# Altium PCB PCB_Amplifier.PcbDoc (part 4 of 4)
Units mm, origin at the board's own origin, x right, y up, seen from the top; angles counter-clockwise.
Board outline 86.5 x 99 mm, 4 copper layers (Top Layer, GND, VDD, Bottom Layer); 211 components, 150 nets, 661 pads, 341 vias.
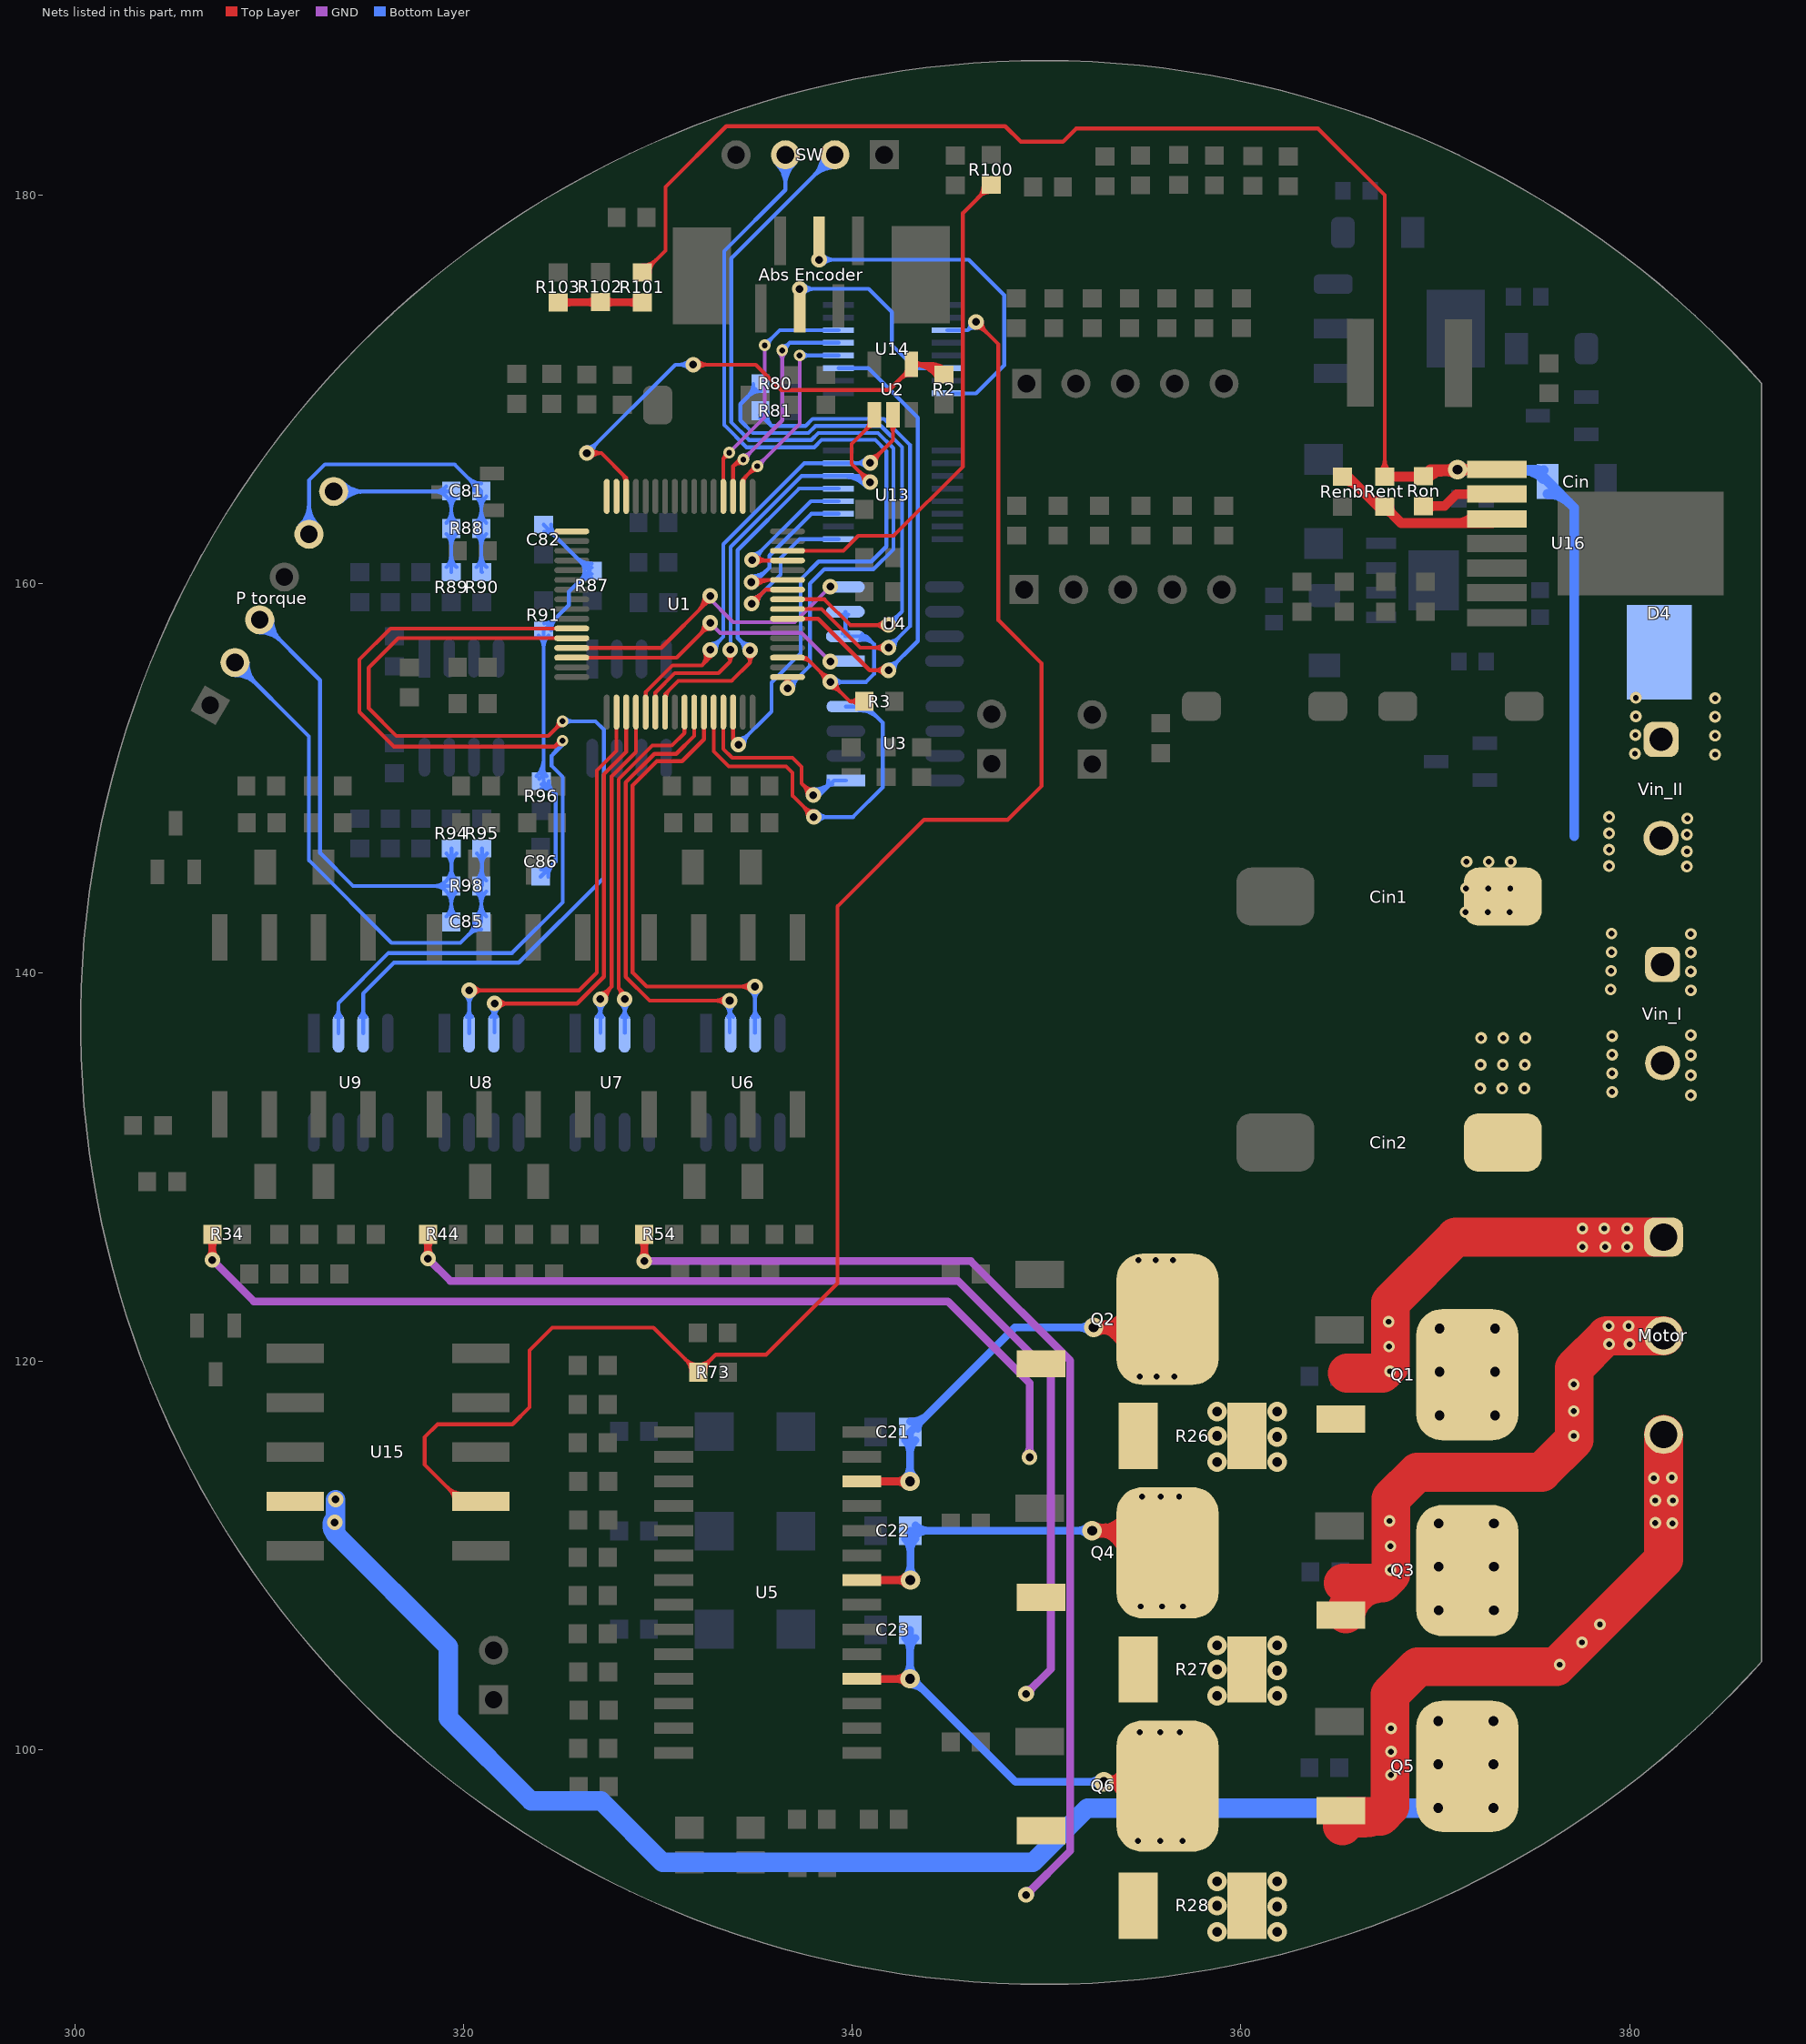
[diagram p6: the nets of this part, all layers, seen from the top]

## Via types
v1: diameter 0.6, hole 0.3, Top Layer to Bottom Layer, 223 vias
v2: diameter 1, hole 0.5, Top Layer to Bottom Layer, 58 vias
v3: diameter 0.8, hole 0.4, Top Layer to Bottom Layer, 52 vias
v4: diameter 3, hole 2.5, Top Layer to Bottom Layer, 7 vias
v5: diameter 0.8, hole 0.4, Top Layer to Bottom Layer, tented bottom, 1 vias

## Nets (pads, with @x,y where several pads share a name; then routed paths per layer and width w, separated by ;. In a path a pad name is that pad's centre, name@x,y a point inside that pad or via, vN(x,y) a via of type N, cw(c..) or ccw(c..) an arc to the next point about the centre after c; other vN are vias at no path point) (continued)
NetR100_2: R100.2 U1.62 | length 27.3
  Top Layer w0.2: U1.62@336.675,161.7 339.55,161.7 340.315,162.465 342.133,162.465 345.7,166.032 345.7,179.08 R100.2@347.15,180.53 ; 346.484,179.864 ccw(c345.818,180.53) R100.2@346.76,180.53 ; 346.545,179.925 cw(c347.125,179.344) R100.2@347.125,180.165
NetR101_1: R101.1 R102.2 R103.2 | length 8.3
  Top Layer w0.4: R103.2@324.875,174.48 R101.1@329.2,174.48 ; R103.2@325.087,174.293 cw(c325.54,173.84) 325.54,174.48 cw(c325.54,175.12) R103.2@325.087,174.667 ; 326.325,174.48 ccw(c326.325,175.205) R102.2@326.838,174.692 ; 326.446,174.48 cw(c326.446,173.926) R102.2@326.838,174.318 ; R102.2@327.262,174.318 cw(c327.654,173.926) 327.654,174.48 ; R102.2@327.262,174.692 ccw(c327.775,175.205) 327.775,174.48 ; R101.1@328.988,174.293 ccw(c328.535,173.84) 328.535,174.48 ccw(c328.535,175.12) R101.1@328.988,174.667
NetRenb_2: Renb.2 Rent.2 U16.3 | length 12.4
  Top Layer w0.5: Renb.2@365.225,165.515 365.51,165.515 Rent.2@367.05,163.975 ; Renb.2@365.25,165.3 cw(c365.25,164.153) 366.061,164.964 ; 366.453,164.572 ccw(c367.375,165.494) Rent.2@367.375,164.19 ; Rent.2@367.4,163.975 368.25,163.125 372.955,163.125 U16.3@373.175,163.345 ; Rent.2@367.425,163.76 cw(c367.425,163.301) Rent.2@367.749,163.626 ; Rent.2@367.64,163.975 ccw(c368.219,163.975) Rent.2@367.81,163.565 ; 371.088,163.125 ccw(c371.088,164.347) U16.3@371.952,163.483
NetRon_2: Ron.2 U16.2 | length 5.6
  Top Layer w0.5: Ron.2@369.4,164 370.475,164 371.09,164.615 U16.2@373.175,164.615 ; Ron.2@369.577,163.848 cw(c369.944,163.481) 369.944,164 cw(c369.944,164.519) Ron.2@369.577,164.152 ; U16.2@371.952,164.477 ccw(c371.619,164.144) 371.619,164.615 ccw(c371.619,165.086) U16.2@371.952,164.753
NetU1_2: U1.2 U14.4 | length 13.1
  Top Layer w0.2: U1.2@334.375,164.5 334.375,165.375 v1@335.088,166.088 ; U1.2@334.425,165.25 cw(c334.847,165.25) 334.549,165.549 ; 334.656,165.656 cw(c335.125,165.186) v1@335.125,165.85 ; 334.837,165.837 ccw(c334.623,166.05) v1@334.925,166.05
  GND w0.2: v1(335.125,166.05) 337.3,168.225 v1(337.3,171.75) ; v1@335.125,166.25 ccw(c335.125,166.733) 335.466,166.391 ccw(c335.808,166.05) v1@335.325,166.05
  Bottom Layer w0.2: v1(337.3,171.75) U14.4@339.3,171.75 ; v1@337.441,171.609 cw(c337.783,171.267) 337.783,171.75 cw(c337.783,172.233) v1@337.441,171.891
NetU1_3: U1.3 U14.5 | length 14.3
  Top Layer w0.2: U1.3@333.875,164.5 333.875,166.05 ; v1@334.2,166.375 333.875,166.05 ; v1@334.364,166.203 ccw(c334.266,165.659) 333.875,166.05
  GND w0.2: v1(334.4,166.4) 336.4,168.4 v1(336.4,172.013) ; v1@334.4,166.6 ccw(c334.4,167.083) 334.741,166.741 ccw(c335.083,166.4) v1@334.6,166.4 ; v1@336.259,171.871 cw(c335.917,171.53) 336.4,171.53 cw(c336.883,171.53) v1@336.541,171.871
  Bottom Layer w0.2: v1(336.4,172.013) 336.788,172.4 U14.5@339.3,172.4 ; v1@336.4,172.213 ccw(c336.4,172.695) 336.741,172.354 ccw(c337.083,172.013) v1@336.6,172.013
NetU1_4: U1.4 U14.6 | length 14.2
  Top Layer w0.2: U1.4@333.375,164.5 333.375,166.45 ; v1@333.476,166.731 cw(c333.128,166.697) 333.375,166.45 ; v1@333.656,166.551 ccw(c333.622,166.203) 333.375,166.45 ; v1(333.675,166.75) 333.375,166.45
  GND w0.2: v1(333.675,166.75) 335.5,168.575 v1(335.5,172.275)
  Bottom Layer w0.2: v1(335.5,172.275) 336.275,173.05 U14.6@339.3,173.05 ; v1@335.5,172.475 ccw(c335.5,172.958) 335.841,172.616 ccw(c336.183,172.275) v1@335.7,172.275
NetU1_27: U1.27 U9.2 | length 52.2
  Top Layer w0.2: 324.829,151.754 ccw(c324.659,151.925) v1@324.9,151.925 ; v1@325.057,151.73 ccw(c324.974,151.351) 324.7,151.625 ; v1@325.1,152.025 324.7,151.625 ; U1.27@325.575,157.7 316.25,157.7 314.65,156.1 314.65,153.4 316.425,151.625 324.7,151.625
  Bottom Layer w0.2: U9.2@313.429,137.716 ccw(c313.087,138.058) 313.57,138.058 ccw(c314.053,138.058) U9.2@313.711,137.716 ; U9.2@313.57,136.875 313.57,138.42 316.15,141 322.5,141 325.11,143.61 325.11,150.058 324.54,150.628 324.54,151.157 325.1,151.717 v1(325.1,151.925) cw(c324.598,151.925) 324.953,151.57 ; 324.611,151.228 ccw(c323.915,151.925) v1@324.9,151.925
NetU1_28: U1.28 U9.3 | length 53.1
  Top Layer w0.2: 324.741,152.541 ccw(c324.357,152.925) v1@324.9,152.925 ; 324.801,152.601 cw(c325.1,152.303) v1@325.1,152.725 ; v1@325.113,152.913 324.375,152.175 316.55,152.175 315.125,153.6 315.125,155.675 316.65,157.2 U1.28@325.575,157.2
  Bottom Layer w0.2: U9.3@314.699,137.716 ccw(c314.357,138.058) 314.84,138.058 ccw(c315.323,138.058) U9.3@314.981,137.716 ; U9.3@314.84,136.875 314.84,138.915 316.425,140.5 322.85,140.5 327.225,144.875 327.225,152.5 326.8,152.925 v1(325.1,152.925) ; v1@325.241,152.784 cw(c325.583,152.442) 325.583,152.925 cw(c325.583,153.408) v1@325.241,153.066
NetU1_44: U1.44 U3.4 | length 23.5
  Top Layer w0.2: U1.44@332.875,153.4 332.875,151.375 333.65,150.6 336.6,150.6 336.925,150.275 336.925,149.1 v3(338.025,148) ; v3@337.725,148 ccw(c337.001,148) 337.513,148.512 ccw(c338.025,149.024) v3@338.025,148.3
  Bottom Layer w0.2: v3(338.025,148) 340.05,148 341.575,149.525 341.575,152.85 340.74,153.685 ; v3@338.237,147.788 cw(c338.749,147.276) 338.749,148 cw(c338.749,148.724) v3@338.237,148.212 ; U3.4@339.675,153.685 340.74,153.685 ; U3.4@340.375,153.485 cw(c340.375,152.121) 341.34,153.085 ; U3.4@340.375,153.685 cw(c340.375,152.804) 340.998,153.427 ; U3.4@340.544,153.577 cw(c340.74,153.452) 340.74,153.685 ; U3.4@340.544,153.793 ccw(c340.74,153.918) 340.74,153.685
NetU1_45: U1.45 U3.1 | length 13.9
  Top Layer w0.2: U1.45@333.375,153.4 333.375,151.5 333.825,151.05 336.925,151.05 337.4,150.575 337.4,149.725 v3(338,149.125) ; v3@337.7,149.125 ccw(c336.976,149.125) 337.488,149.637 ccw(c338,150.149) v3@338,149.425
  Bottom Layer w0.2: v3(338,149.125) 338.325,149.125 339.075,149.875 U3.1@339.675,149.875 ; v3@338,149.225 ccw(c338,150.251) 338.726,149.526 ; v3@338,149.425 ccw(c338,150.934) U3.1@339.067,149.867 ; 338.563,149.363 ccw(c338.051,149.875) U3.1@338.775,149.875 ; U3.1@338.804,149.604 cw(c338.975,149.434) U3.1@338.975,149.675
OPEN_SIG: R73.1 U14.11 U15.7 | length 99.3
  Top Layer w0.2: 319.187,113.488 ccw(c319.93,114.23) U15.7@319.93,113.18 ; 319.272,113.403 cw(c318.649,112.78) U15.7@319.53,112.78 ; U15.7@319.529,113.146 ccw(c319.93,113.547) U15.7@319.93,112.98 ; U15.7@320.9,112.78 319.895,112.78 318,114.675 318,116.075 318.675,116.75 322.525,116.75 323.4,117.625 323.4,120.55 324.575,121.725 329.78,121.725 R73.1@332.08,119.425 332.98,120.325 335.575,120.325 339.25,124 339.25,143.4 343.7,147.85 348,147.85 349.75,149.6 349.75,155.9 347.525,158.125 347.525,172.325 v3(346.375,173.475) ; 331.414,120.091 ccw(c332.08,120.757) 332.08,119.815 ccw(c332.08,120.757) 332.746,120.091 ; 331.475,120.03 cw(c330.894,119.45) R73.1@331.715,119.45 ; R73.1@332.445,119.45 cw(c333.266,119.45) 332.685,120.03 ; v3@346.375,173.175 cw(c346.375,172.451) 346.887,172.963 cw(c347.399,173.475) v3@346.675,173.475
  Bottom Layer w0.2: U14.11@344.9,173.05 345.95,173.05 ; v3@346.078,173.433 cw(c345.63,173.37) 345.95,173.05 ; v3@346.333,173.178 ccw(c346.27,172.73) 345.95,173.05 ; v3(346.375,173.475) 345.95,173.05
REF_165: C82.1 C86.2 R87.2 R91.1 R96.2 | length 33.7
  Bottom Layer w0.2: R96.2@323.767,150.103 ccw(c322.902,150.968) 324.125,150.968 ; R91.1@323.867,157.347 cw(c323.244,156.724) 324.125,156.724 cw(c325.006,156.724) R91.1@324.383,157.347 ; R96.2@323.908,149.962 ccw(c323.385,150.485) 324.125,150.485 ccw(c324.665,150.485) R96.2@324.283,150.103 ; C86.2@323.975,144.93 324.75,145.705 324.75,149.175 324.125,149.8 R91.1@324.125,157.605 325.425,158.905 325.425,159.595 326.5,160.67 C82.1@324.125,163.045 ; C86.2@324,145.295 ccw(c324,146.116) 324.58,145.535 ; R96.2@324.025,149.48 cw(c324.025,148.466) 324.742,149.183 ; R96.2@324.025,149.68 cw(c324.025,149.149) R96.2@324.401,149.524 ; R91.1@324.15,157.97 ccw(c324.15,158.791) 324.73,158.21 ; C82.1@324.15,162.68 cw(c324.15,161.859) 324.73,162.44 ; C86.2@324.365,144.93 cw(c325.307,144.93) 324.641,145.596 ; R96.2@324.39,149.845 ccw(c325.138,149.845) 324.609,149.316 ; R91.1@324.515,157.605 cw(c325.457,157.605) 324.791,158.271 ; C82.1@324.515,163.045 ccw(c325.457,163.045) 324.791,162.379 ; 325.806,159.976 cw(c326.6,159.182) R87.2@326.6,160.305 ; 325.806,161.364 ccw(c326.6,162.158) R87.2@326.6,161.035 ; 326.048,160.218 ccw(c325.595,160.67) 326.235,160.67 ccw(c325.595,160.67) 326.048,161.122 ; R87.2@326.148,160.318 cw(c326.6,159.865) R87.2@326.6,160.505 ; R87.2@326.148,161.022 ccw(c326.6,161.475) R87.2@326.6,160.835
RS485_SIG: R3.1 U1.51 U4.2 U4.3 | length 20.1
  Top Layer w0.2: U1.51@336.675,156.2 337.625,156.2 339.875,153.95 ; U1.51@337.425,156.15 cw(c337.425,155.546) 337.852,155.973 ; v3@338.575,154.95 ccw(c337.851,154.95) 338.363,155.462 ccw(c338.875,155.974) v3@338.875,155.25 ; v3@338.875,154.65 cw(c338.875,153.926) 339.387,154.438 cw(c339.899,154.95) v3@339.175,154.95 ; R3.1@340.344,153.723 ccw(c339.875,153.352) 339.875,153.95 ; R3.1@340.344,154.177 cw(c339.875,154.548) 339.875,153.95 ; R3.1@340.63,153.95 339.875,153.95
  Bottom Layer w0.2: v3(338.875,154.95) 340.725,154.95 341.125,155.35 341.125,156.9 ; v3@339.087,154.738 cw(c339.599,154.226) 339.599,154.95 cw(c339.599,155.674) v3@339.087,155.162 ; U4.2@339.509,157.436 ccw(c339.167,157.778) 339.65,157.778 ccw(c340.133,157.778) U4.2@339.791,157.436 ; U4.3@339.509,158.424 cw(c339.167,158.082) 339.65,158.082 cw(c340.133,158.082) U4.3@339.791,158.424 ; U4.3@339.65,158.565 U4.2@339.65,157.295 340.73,157.295 ; U4.2@340.35,157.295 cw(c340.484,156.759) 340.875,157.15 ; U4.2@340.399,157.101 cw(c340.584,156.359) 341.125,156.9 ; U4.2@340.515,157.182 cw(c340.73,157.034) 340.73,157.295 ; U4.2@340.515,157.408 ccw(c340.73,157.556) 340.73,157.295 ; 340.73,157.295 341.125,156.9
SEN_1_RAW: Q2.3 R26.2 R34.1 | length 52.3
  Top Layer w0.4: R34.1@306.893,126.313 cw(c306.44,125.86) 307.08,125.86 cw(c307.72,125.86) R34.1@307.267,126.313 ; v3@306.939,125.346 ccw(c306.597,125.688) 307.08,125.688 ccw(c307.563,125.688) v3@307.221,125.346 ; v3(307.08,125.205) R34.1@307.08,126.525
  GND w0.4: v3(307.08,125.205) 309.21,123.075 344.925,123.075 349.125,118.875 v3(349.125,115.05) ; v3@348.984,115.191 ccw(c348.642,115.533) 349.125,115.533 ccw(c349.608,115.533) v3@349.266,115.191
SEN_2_RAW: Q4.3 R27.2 R44.1 | length 55.3
  Top Layer w0.4: R44.1@317.993,126.313 cw(c317.54,125.86) 318.18,125.86 cw(c318.82,125.86) R44.1@318.367,126.313 ; v3@318.039,125.411 ccw(c317.697,125.753) 318.18,125.753 ccw(c318.663,125.753) v3@318.321,125.411 ; v3(318.18,125.27) R44.1@318.18,126.525
  GND w0.4: v3(318.18,125.27) 319.325,124.125 345.45,124.125 350.225,119.35 350.225,104.15 v3(348.95,102.875) ; v3@348.95,103.075 ccw(c348.95,103.558) 349.291,103.216 ccw(c349.633,102.875) v3@349.15,102.875
SEN_3_RAW: Q6.3 R28.2 R54.1 | length 56.4
  Top Layer w0.4: R54.1@329.118,126.313 cw(c328.665,125.86) 329.305,125.86 cw(c329.945,125.86) R54.1@329.492,126.313 ; v3@329.164,125.286 ccw(c328.822,125.628) 329.305,125.628 ccw(c329.788,125.628) v3@329.446,125.286 ; v3(329.305,125.145) R54.1@329.305,126.525
  GND w0.4: v3(329.305,125.145) 346.105,125.145 351.225,120.025 351.225,94.8 v3(348.95,92.525) ; v3@348.95,92.725 ccw(c348.95,93.208) 349.291,92.866 ccw(c349.633,92.525) v3@349.15,92.525
SIG_1_+: "P torque.5" C81.1 R88.1 R90.1 | length 27.8
  Bottom Layer w0.2: 311.595,163.008 ccw(c310.486,164.118) 312.055,164.118 ccw(c313.624,164.118) 312.515,163.008 ; 311.737,162.867 ccw(c310.969,163.635) 312.055,163.635 ccw(c313.141,163.635) 312.373,162.867 ; 312.055,162.549 312.055,165.33 312.875,166.15 319.545,166.15 C81.1@320.92,164.775 320.92,160.625 R90.1@320.95,160.595 ; 320.254,165.441 ccw(c320.92,166.107) C81.1@320.92,165.165 ; 320.315,165.38 cw(c319.734,164.8) C81.1@320.555,164.8 ; R88.1@320.662,162.567 cw(c320.039,161.944) 320.92,161.944 cw(c321.801,161.944) R88.1@321.178,162.567 ; R88.1@320.662,163.133 ccw(c320.039,163.756) 320.92,163.756 ccw(c321.801,163.756) R88.1@321.178,163.133 ; C81.1@320.662,164.492 cw(c320.039,163.869) 320.92,163.869 cw(c321.801,163.869) C81.1@321.178,164.492 ; R90.1@320.667,160.853 ccw(c320.056,161.464) 320.92,161.464 ; 320.92,161.488 ccw(c321.818,161.488) R90.1@321.183,160.853
SIG_1_-: "P torque.6" C81.2 R88.2 R89.1 | length 21.3
  Bottom Layer w0.2: 313.325,164.749 319.354,164.749 319.38,164.722 R88.2@319.38,162.85 R89.1@319.38,160.596 ; 313.643,164.43 cw(c314.411,163.662) 314.411,164.749 cw(c314.411,165.835) 313.643,165.067 ; 313.785,164.289 cw(c314.894,163.179) 314.894,164.749 cw(c314.894,166.318) 313.785,165.208 ; 318.495,164.749 ccw(c318.495,165.635) C81.2@319.122,165.008 ; 318.502,164.749 cw(c318.502,163.872) 319.122,164.492 cw(c318.499,163.869) 319.38,163.869 cw(c320.261,163.869) C81.2@319.638,164.492 ; R88.2@319.122,162.567 cw(c318.499,161.944) 319.38,161.944 cw(c320.261,161.944) R88.2@319.638,162.567 ; R88.2@319.122,163.133 ccw(c318.499,163.756) 319.38,163.756 ccw(c320.261,163.756) R88.2@319.638,163.133 ; R89.1@319.123,160.853 ccw(c318.503,161.473) 319.38,161.473 ; 319.38,161.479 ccw(c320.265,161.479) R89.1@319.639,160.853
SIG_2_+: "P torque.2" C85.1 R95.2 R98.1 | length 38.1
  Bottom Layer w0.2: 308.245,155.3 cw(c308.245,153.73) 309.355,154.84 cw(c310.464,155.95) 308.895,155.95 ; 308.245,155.5 cw(c308.245,154.413) 309.013,155.182 cw(c309.781,155.95) 308.695,155.95 ; 308.245,155.95 312.05,152.145 312.05,145.775 316.3,141.525 319.845,141.525 C85.1@320.92,142.6 R98.1@320.92,144.45 ; 320.254,141.934 cw(c320.92,141.268) C85.1@320.92,142.21 ; 320.315,141.995 ccw(c319.734,142.575) C85.1@320.555,142.575 ; C85.1@320.662,142.883 ccw(c320.039,143.506) 320.92,143.506 ccw(c321.801,143.506) C85.1@321.178,142.883 ; R98.1@320.662,144.167 cw(c320.039,143.544) 320.92,143.544 cw(c321.801,143.544) R98.1@321.178,144.167 ; R98.1@320.662,144.733 ccw(c319.966,145.429) 320.95,145.429 ; R95.2@320.692,146.122 cw(c320.069,145.499) 320.95,145.499 cw(c321.831,145.499) R95.2@321.208,146.122 ; R98.1@320.803,144.592 ccw(c320.449,144.946) 320.95,144.946 ; R98.1@320.95,144.48 R95.2@320.95,146.38 ; 320.95,145.284 ccw(c321.729,145.284) R98.1@321.178,144.733
SIG_2_-: "P torque.3" C85.2 R94.2 R98.2 | length 35.6
  Bottom Layer w0.2: 309.515,157.499 cw(c309.515,155.93) 310.625,157.04 cw(c311.734,158.149) 310.165,158.149 ; 309.515,157.699 cw(c309.515,156.613) 310.283,157.381 cw(c311.051,158.149) 309.965,158.149 ; 309.515,158.149 312.625,155.039 312.625,146.15 314.324,144.451 319.381,144.451 R94.2@319.381,146.38 ; 318.496,144.451 cw(c318.496,143.566) R98.2@319.122,144.192 ; 318.502,144.451 ccw(c318.502,145.328) R98.2@319.122,144.708 ; C85.2@319.122,142.883 ccw(c318.499,143.506) 319.38,143.506 ccw(c320.261,143.506) C85.2@319.638,142.883 ; R98.2@319.122,144.167 cw(c318.499,143.544) 319.38,143.544 cw(c320.261,143.544) R98.2@319.638,144.167 ; R98.2@319.122,144.733 ccw(c318.496,145.359) 319.381,145.359 ; R94.2@319.123,146.122 cw(c318.5,145.499) 319.381,145.499 cw(c320.262,145.499) R94.2@319.639,146.122 ; C85.2@319.38,142.6 R98.2@319.38,144.45 ; 319.381,145.353 ccw(c320.258,145.353) R98.2@319.638,144.733
SPI1_CLK: U1.55 U14.3 | length 27.4
  Top Layer w0.2: U1.55@336.675,158.2 338.25,158.2 340.9,155.55 v3@341.9,155.55 ; v3@341.663,155.338 ccw(c341.151,154.826) 341.151,155.55 ccw(c341.151,156.274) v3@341.663,155.762
  Bottom Layer w0.2: U14.3@339.3,171.1 340.825,171.1 343.375,168.55 343.375,157.05 v3(341.875,155.55) ; v3@341.875,155.85 ccw(c341.875,156.574) 342.387,156.062 ccw(c342.899,155.55) v3@342.175,155.55
SPI1_MISO: R81.2 U1.56 | length 29.4
  Top Layer w0.2: U1.56@336.675,158.7 338.425,158.7 340.413,156.712 v3(341.875,156.712) ; v3@341.663,156.5 ccw(c341.151,155.988) 341.151,156.712 ccw(c341.151,157.437) v3@341.663,156.925
  Bottom Layer w0.2: R81.2@335.28,168.51 cw(c335.28,168.051) 335.604,168.376 ; R81.2@335.28,168.7 335.86,168.12 ; R81.2@335.443,168.847 ccw(c335.953,168.759) 335.587,168.393 ; R81.2@335.64,168.813 ccw(c336.419,168.679) 335.86,168.12 ; v3(341.875,156.712) 342.975,157.812 342.975,167.15 341.64,168.485 337.967,168.485 337.602,168.12 335.86,168.12 ; v3@341.875,157.012 ccw(c341.875,157.737) 342.387,157.225 ccw(c342.899,156.712) v3@342.175,156.712
SPI1_MOSI: R80.2 U1.57 | length 30
  Top Layer w0.2: U1.57@336.675,159.2 338.575,159.2 339.9,157.875 v3(341.875,157.875) ; v3@341.663,157.663 ccw(c341.151,157.151) 341.151,157.875 ccw(c341.151,158.599) v3@341.663,158.087
  Bottom Layer w0.2: 334.648,169.648 cw(c335.28,169.017) R80.2@335.28,169.91 ; 334.66,169.66 ccw(c334.046,170.275) R80.2@334.915,170.275 ; R80.2@335.027,170.027 334.25,169.25 334.25,168.407 334.897,167.76 337.751,167.76 338.116,168.125 341.484,168.125 342.575,167.034 342.575,158.575 v3(341.875,157.875) ; v3@341.875,158.175 ccw(c341.875,158.899) 342.387,158.387 ccw(c342.899,157.875) v3@342.175,157.875
SSI_CLK: "Abs Encoder.4" U14.14 | length 11.4
  Bottom Layer w0.2: v3(337.3,175.175) 340.85,175.175 342.05,173.975 342.05,172.275 343.225,171.1 U14.14@344.9,171.1 ; v3@337.512,174.963 cw(c338.024,174.451) 338.024,175.175 cw(c338.024,175.899) v3@337.512,175.387
SSI_DATA: "Abs Encoder.3" U14.16 | length 18.5
  Bottom Layer w0.2: v3(338.3,176.675) 346,176.675 347.825,174.85 347.825,171.25 346.375,169.8 U14.16@344.9,169.8 ; v3@338.512,176.463 cw(c339.024,175.951) 339.024,176.675 cw(c339.024,177.399) v3@338.512,176.887
SWCLK: SW.2 U1.49 | length 47.9
  Top Layer w0.2: v3@336.503,154.871 ccw(c336.274,155.2) U1.49@336.675,155.2 ; v3(336.675,154.625) U1.49@336.675,155.2 ; v3@336.847,154.871 cw(c337.076,155.2) U1.49@336.675,155.2
  Bottom Layer w0.2: v3(336.675,154.625) 337.825,155.775 337.825,160 338.575,160.75 341.1,160.75 342.125,161.775 342.125,166.975 341.335,167.765 338.265,167.765 337.9,167.4 334.7,167.4 333.775,168.325 333.775,176.74 SW.2@339.11,182.075 ; v3@336.675,154.925 ccw(c336.675,155.649) 337.187,155.137 ccw(c337.699,154.625) v3@336.975,154.625 ; SW.2@338.46,182.075 cw(c336.891,182.075) 338,180.965 cw(c339.11,179.856) SW.2@339.11,181.425 ; SW.2@338.66,182.075 cw(c337.574,182.075) 338.342,181.307 cw(c339.11,180.539) SW.2@339.11,181.625
SWDIO: SW.3 U1.46 | length 51.4
  Top Layer w0.2: U1.46@333.875,153.4 333.875,152 v3(334.15,151.725)
  Bottom Layer w0.2: v3(334.15,151.725) 335.85,153.425 335.85,154.925 337.35,156.425 337.35,160.225 338.275,161.15 340.991,161.15 341.765,161.924 341.765,166.826 341.186,167.405 338.43,167.405 338.05,167.025 334.566,167.025 333.415,168.176 333.415,177.115 336.57,180.27 SW.3@336.57,182.075 ; v3@334.15,152.025 ccw(c334.15,152.749) 334.662,152.237 ccw(c335.174,151.725) v3@334.45,151.725 ; SW.3@336.11,181.615 cw(c335.001,180.506) 336.57,180.506 cw(c338.139,180.506) SW.3@337.03,181.615 ; SW.3@336.252,181.757 cw(c335.484,180.989) 336.57,180.989 cw(c337.656,180.989) SW.3@336.888,181.757
TIM1_CH1: U1.41 U7.3 | length 21.1
  Top Layer w0.2: v3@328.04,138.775 ccw(c327.741,138.946) 327.985,139.19 ; 328.17,139.005 cw(c327.976,138.812) v3@328.213,138.675 ; v3@328.325,138.85 327.985,139.19 ; U1.41@331.375,153.4 331.375,152.325 330.725,151.675 329.719,151.675 327.985,149.941 327.985,139.19
  Bottom Layer w0.2: v3@328.088,138.413 cw(c327.576,137.901) 328.3,137.901 cw(c329.024,137.901) v3@328.512,138.413 ; U7.3@328.149,137.716 ccw(c327.783,138.082) 328.3,138.082 ; U7.3@328.3,136.885 v3(328.3,138.625) ; 328.3,138.034 ccw(c328.749,138.034) U7.3@328.431,137.716
TIM1_CH1N: U1.34 U8.2 | length 26
  Top Layer w0.2: v3(320.3,139.075) 325.95,139.075 326.865,139.99 326.865,150.39 327.875,151.4 U1.34@327.875,153.4 ; v3@320.512,138.863 cw(c321.024,138.351) 321.024,139.075 cw(c321.024,139.799) v3@320.512,139.287
  Bottom Layer w0.2: v3@320.088,138.863 cw(c319.576,138.351) 320.3,138.351 cw(c321.024,138.351) v3@320.512,138.863 ; U8.2@320.154,137.716 ccw(c319.8,138.07) 320.3,138.07 ; U8.2@320.3,136.88 v3(320.3,139.075) ; 320.3,138.046 ccw(c320.766,138.046) U8.2@320.436,137.716
TIM1_CH2: U1.42 U6.2 | length 27
  Top Layer w0.2: U1.42@331.875,153.4 331.875,152.175 330.95,151.25 329.825,151.25 328.345,149.77 328.345,139.78 329.575,138.55 v3(333.7,138.55) v3@333.7,138.625 ; v3@333.488,138.338 ccw(c332.976,137.826) 332.976,138.55 ccw(c332.976,139.274) v3@333.488,138.762
  Bottom Layer w0.2: v3@333.488,138.338 cw(c332.976,137.826) 333.7,137.826 cw(c334.424,137.826) v3@333.912,138.338 ; v3@333.55,138.29 cw(c333.357,137.956) 333.73,138.056 ; U6.2@333.604,137.716 ccw(c333.371,137.949) 333.7,137.949 ; U6.2@333.7,136.92 v3(333.7,138.55) ; v3@333.7,138.166 ccw(c334.336,138.166) U6.2@333.886,137.716 ; 333.741,138.014 cw(c333.981,138.079) v3@333.854,138.292
TIM1_CH2N: U1.35 U8.3 | length 25.3
  Top Layer w0.2: v3(321.6,138.4) 325.85,138.4 327.225,139.775 327.225,150.2 328.375,151.35 U1.35@328.375,153.4 ; v3@321.812,138.188 cw(c322.324,137.676) 322.324,138.4 cw(c322.324,139.124) v3@321.812,138.612
  Bottom Layer w0.2: v3@321.388,138.188 cw(c320.876,137.676) 321.6,137.676 cw(c322.324,137.676) v3@321.812,138.188 ; U8.3@321.424,137.716 ccw(c320.998,138.142) v3@321.6,138.142 ; v3@321.468,138.13 cw(c321.401,137.992) 321.549,137.953 cw(c321.782,137.89) v3@321.701,138.118 ; U8.3@321.6,136.91 v3(321.6,138.4) ; 321.6,137.973 ccw(c321.963,137.973) U8.3@321.706,137.716
TIM1_CH3: U1.43 U6.3 | length 27.7
  Top Layer w0.2: U1.43@332.375,153.4 332.375,152 331.25,150.875 329.959,150.875 328.705,149.621 328.705,139.995 329.425,139.275 v3(335,139.275) ; v3@334.788,139.063 ccw(c334.276,138.551) 334.276,139.275 ccw(c334.276,139.999) v3@334.788,139.487
  Bottom Layer w0.2: v3@334.788,139.063 cw(c334.276,138.551) 335,138.551 cw(c335.724,138.551) v3@335.212,139.063 ; U6.3@334.874,137.716 ccw(c334.568,138.022) 335,138.022 ; U6.3@335,136.89 v3(335,139.275) ; 335,138.094 ccw(c335.534,138.094) U6.3@335.156,137.716
TIM1_CH3N: U1.36 U7.2 | length 20
  Top Layer w0.2: v3@327.05,138.925 ccw(c327.05,139.468) 327.434,139.084 ; v3@327.213,138.863 327.625,139.275 327.625,150.09 328.875,151.34 U1.36@328.875,153.4 ; v3@327.35,138.625 cw(c328.255,138.625) 327.615,139.265
  Bottom Layer w0.2: v3@326.838,138.413 cw(c326.326,137.901) 327.05,137.901 cw(c327.774,137.901) v3@327.262,138.413 ; U7.2@326.879,137.716 ccw(c326.465,138.13) 327.05,138.13 ; U7.2@327.05,136.905 v3(327.05,138.625) ; 327.05,137.985 ccw(c327.43,137.985) U7.2@327.161,137.716
TIM2_CH2: U1.15
TIM2_CH3: U1.16
TIM2_CH4: U1.17
TIM3_CH1: U1.37 U2.2 U13.7 | length 29.1
  Top Layer w0.2: U1.37@329.375,153.4 329.375,154.425 330.75,155.8 332.275,155.8 ; v3@332.42,156.491 cw(c331.818,156.257) 332.275,155.8 ; 332.492,156.017 ccw(c332.13,156.378) v3@332.607,156.564 ; v3(332.7,156.6) 332.7,156.225 332.275,155.8 ; v3(340.925,166.225) 342.1,167.4 U2.2@342.1,168.7 ; v3@340.925,166.525 ccw(c340.925,167.249) 341.437,166.737 ccw(c341.949,166.225) v3@341.225,166.225 ; U2.2@341.923,168.223 cw(c341.496,167.796) 342.1,167.796 cw(c342.704,167.796) U2.2@342.277,168.223
  Bottom Layer w0.2: v3(332.7,156.6) 333.375,157.275 333.375,162.034 337.541,166.2 U13.7@339.3,166.2 v3@340.9,166.2 ; v3@332.7,156.9 ccw(c332.7,157.624) 333.212,157.112 ccw(c333.724,156.6) v3@333,156.6 ; 340.14,166.2 ccw(c340.14,167.01) v3@340.713,166.437 ; 340.261,166.2 cw(c340.261,165.561) v3@340.713,166.013
TIM3_CH2: U1.38 U2.1 U13.6 | length 30.7
  Top Layer w0.2: U1.38@329.875,153.4 329.875,154.4 330.875,155.4 333.125,155.4 333.725,156 ; v3@333.545,156.36 cw(c333.275,156) 333.725,156 ; v3(333.725,156.6) 333.725,156 ; v3@333.905,156.36 ccw(c334.175,156) 333.725,156 ; v3@340.625,165.225 ccw(c339.901,165.225) 340.413,165.737 ccw(c340.925,166.249) v3@340.925,165.525 ; 340.706,167.931 ccw(c340.236,168.4) U2.1@340.9,168.4 ; 340.766,167.991 cw(c341.15,167.607) U2.1@341.15,168.15 ; v3(340.925,165.225) 339.975,166.175 339.975,167.2 341.15,168.375 U2.1@341.15,168.7
  Bottom Layer w0.2: v3@333.75,156.6 333.75,161.9 337.4,165.55 U13.6@339.3,165.55 340.6,165.55 v3(340.925,165.225) ; U13.6@339.416,165.55 cw(c339.416,163.716) v3@340.713,165.013 ; U13.6@339.899,165.55 cw(c339.899,164.199) v3@340.854,165.154 ; 340.382,165.55 cw(c340.382,164.682) v3@340.996,165.296
TIM3_CH3: U1.39 U13.5 | length 21
  Top Layer w0.2: U1.39@330.375,153.4 330.375,154.325 331.05,155 333.8,155 334.75,155.95 ; U1.39@330.425,154.15 cw(c330.968,154.15) 330.584,154.534 ; v3@334.562,156.341 cw(c334.249,155.95) 334.75,155.95 ; v3(334.75,156.575) 334.75,155.95 ; v3@334.938,156.341 ccw(c335.251,155.95) 334.75,155.95
  Bottom Layer w0.2: v3@334.45,156.575 ccw(c333.726,156.575) 334.238,157.087 ccw(c334.75,157.599) v3@334.75,156.875 ; v3(334.75,156.575) 334.11,157.215 334.11,161.735 337.275,164.9 U13.5@339.3,164.9
TIM4_CH1: U1.58 U13.1 | length 10.8
  Top Layer w0.2: v3(334.825,158.975) 335.55,159.7 U1.58@336.675,159.7 ; v3@334.825,159.275 ccw(c334.825,159.999) 335.337,159.487 ccw(c335.849,158.975) v3@335.125,158.975
  Bottom Layer w0.2: v3(334.825,158.975) 336.325,160.475 336.325,161.325 337.3,162.3 U13.1@339.3,162.3 ; v3@334.825,159.275 ccw(c334.825,159.999) 335.337,159.487 ccw(c335.849,158.975) v3@335.125,158.975
TIM4_CH2: U1.59 U13.3 | length 12.1
  Top Layer w0.2: v3(334.816,160.083) 334.82,160.083 335.023,159.88 335.023,160.2 U1.59@336.675,160.2 ; v3@334.887,160.012 cw(c335.341,159.558) 335.341,160.2 ; v3@335.028,159.871 cw(c335.824,159.076) U1.59@335.824,160.2 ; v3@335.028,160.295 ccw(c335.258,160.524) 335.258,160.2
  Bottom Layer w0.2: v3(334.816,160.083) 334.82,160.083 334.825,160.078 334.825,159.908 335.75,160.833 335.75,161.45 337.9,163.6 U13.3@339.3,163.6 ; v3@334.816,160.183 ccw(c334.816,160.866) 335.3,160.383 ; v3@334.816,160.383 ccw(c334.816,161.549) 335.641,160.724 ; v3@335.116,160.083 cw(c335.399,160.083) 335.199,160.282
TIM4_CH3: U1.61 U13.4 | length 9.8
  Top Layer w0.2: v3(334.85,161.225) 334.85,161.215 334.865,161.2 U1.61@336.675,161.2 ; v3@335.062,161.013 cw(c335.514,160.561) 335.514,161.2 ; v3@335.062,161.437 ccw(c335.635,162.01) 335.635,161.2
  Bottom Layer w0.2: v3(334.85,161.225) 337.875,164.25 U13.4@339.3,164.25 ; v3@334.85,161.525 ccw(c334.85,162.249) 335.362,161.737 ccw(c335.874,161.225) v3@335.15,161.225
TIM5_CH1: R2.2 U1.14 U2.4 | length 38.1
  Top Layer w0.2: v3(326.35,166.725) 327.1,166.725 328.375,165.45 U1.14@328.375,164.5 ; v3@326.562,166.513 cw(c327.074,166.001) 327.074,166.725 cw(c327.074,167.449) v3@326.562,166.937 ; 328.148,165.677 cw(c327.721,165.25) U1.14@328.325,165.25 ; v3(331.825,171.275) 335.047,171.275 336.347,169.975 341.9,169.975 343.05,171.125 U2.4@343.05,171.3 ; v3@332.037,171.063 cw(c332.549,170.551) 332.549,171.275 cw(c332.549,171.999) v3@332.037,171.487 ; 342.41,170.485 cw(c343.05,169.845) U2.4@343.05,170.75 ; U2.4@342.712,170.787 ccw(c342.498,171) U2.4@342.8,171 ; U2.4@343.227,171.123 cw(c343.654,170.696) 343.654,171.3 cw(c343.654,171.904) U2.4@343.227,171.477 ; 343.419,171.3 cw(c343.419,169.937) R2.2@344.562,170.68 ; 343.787,171.3 cw(c343.787,170.176) R2.2@344.729,170.789 ; 344.156,171.3 cw(c344.156,170.416) R2.2@344.897,170.898 ; R2.2@344.341,170.835 ccw(c343.823,170.928) 344.195,171.3 ; R2.2@344.394,170.571 ccw(c343.05,169.697) U2.4@343.05,171.3 ; R2.2@344.663,171.133 cw(c344.605,171.71) 344.195,171.3 ; R2.2@344.725,170.77 344.195,171.3 ; U2.4@343.05,171.3 344.195,171.3
  Bottom Layer w0.2: v3(326.35,166.725) 330.9,171.275 v3(331.825,171.275) ; v3@326.35,167.025 ccw(c326.35,167.749) 326.862,167.237 ccw(c327.374,166.725) v3@326.65,166.725 ; v3@331.613,171.063 ccw(c331.101,170.551) 331.101,171.275 ccw(c331.101,171.999) v3@331.613,171.487
U_COIL: C21.2 Motor.1 Q1.3 Q2.2 U5.26 | length 59.8
  Top Layer w0.4: U5.26@340.5,113.81 v2(342.975,113.81) ; v2@342.763,113.598 ccw(c342.251,113.086) 342.251,113.81 ccw(c342.251,114.534) v2@342.763,114.022 ; v2@352.575,121.465 cw(c352.937,120.838) 353.125,121.538 cw(c353.312,122.237) v2@352.685,121.875 ; v2@352.575,121.985 ccw(c352.937,122.612) 353.125,121.912 ccw(c353.312,121.213) v2@352.685,121.575 ; v2@352.637,121.513 cw(c353.149,121.001) 353.149,121.725 ; v2@352.637,121.937 ccw(c353.149,122.449) 353.149,121.725 ; 352.978,121.725 cw(c352.978,120.332) Q2.2@354.301,120.767 ; 353.531,121.725 cw(c353.531,120.513) Q2.2@354.681,120.892 ; Q2.2@353.921,120.642 ccw(c352.425,120.15) v2(352.425,121.725) ; Q2.2@354.172,122.69 cw(c352.425,123.788) v2(352.425,121.725) ; Q2.2@354.51,122.477 cw(c353.149,123.333) 353.149,121.725 ; Q2.2@355.8,121.725 v2(352.425,121.725)
  Top Layer w2: 365.475,119.375 367.275,119.375 367.7,119.8 367.7,123.025 371.055,126.38 Motor.1@381.75,126.38
  Bottom Layer w0.4: C21.2@342.721,115.926 cw(c342.109,115.314) 342.975,115.314 ; v2@342.763,114.022 ccw(c342.251,114.534) 342.975,114.534 ccw(c343.699,114.534) v2@343.187,114.022 ; v2(342.975,113.81) C21.2@342.975,116.335 ; 342.975,115.241 cw(c343.944,115.241) C21.2@343.259,115.926 ; C21.2@342.99,116.35 348.365,121.725 v2(352.425,121.725) ; C21.2@342.99,116.885 ccw(c342.99,118.177) 343.903,117.263 ; C21.2@343.37,116.505 cw(c343.913,116.505) C21.2@343.529,116.889 ; v2@352.213,121.513 ccw(c351.701,121.001) 351.701,121.725 ccw(c351.701,122.449) v2@352.213,121.937
  other v1: 354.8,119.2 355.675,119.2 356.575,119.2 367.675,119.475 367.625,120.75 367.6,122.025 354.725,125.2 355.625,125.2 356.5,125.2 377.575,125.875 378.75,125.875 379.875,125.875 377.575,126.825 378.7,126.825 379.875,126.825
USART3_RX: U1.30 U4.1 | length 16.2
  Top Layer w0.2: U1.30@325.575,156.2 330.975,156.2 v3@332.731,157.956 ; 332.144,157.369 ccw(c331.525,157.987) v3@332.4,157.987 ; 332.295,157.52 cw(c332.7,157.114) v3@332.7,157.688
  GND w0.2: v3@332.6,158.087 333.213,157.475 337.4,157.475 v3(338.875,156)
  other v3: 332.7,157.987
USART3_TX: U1.29 U4.4 | length 17.5
  Top Layer w0.2: U1.29@325.575,156.7 330.175,156.7 332.575,159.1 v3@332.575,159.375 ; 332.082,158.607 ccw(c331.314,159.375) v3@332.4,159.375 ; 332.423,158.948 ccw(c331.996,159.375) v3@332.6,159.375 ; 332.444,158.969 cw(c332.7,158.713) v3@332.7,159.075
  GND w0.2: v3@332.525,159.375 333.875,158.025 337.05,158.025 v3(338.875,159.85)
  other v3: 332.7,159.375
V_COIL: C22.2 Motor.2 Q3.3 Q4.2 U5.22 | length 65.2
  Top Layer w0.4: U5.22@340.5,108.73 v2(342.995,108.73) ; v2@342.783,108.518 ccw(c342.271,108.006) 342.271,108.73 ccw(c342.271,109.454) v2@342.783,108.942 ; v2@352.5,111.015 cw(c352.862,110.388) 353.05,111.088 cw(c353.237,111.787) v2@352.61,111.425 ; v2@352.5,111.535 ccw(c352.862,112.162) 353.05,111.462 ccw(c353.237,110.763) v2@352.61,111.125 ; v2@352.562,111.063 cw(c353.074,110.551) 353.074,111.275 cw(c353.074,111.999) v2@352.562,111.487 ; 352.901,111.275 cw(c352.901,109.804) Q4.2@354.3,110.26 ; 353.111,111.275 ccw(c353.111,113.03) Q4.2@354.557,112.035 ; 353.452,111.275 cw(c353.452,109.984) Q4.2@354.68,110.384 ; Q4.2@353.919,110.136 ccw(c352.35,109.625) v2@352.35,111.275 ; Q4.2@354.227,112.262 cw(c352.35,113.553) v2@352.35,111.275 ; Q4.2@355.088,111.275 v2(352.35,111.275)
  Top Layer w2: 365.275,108.575 367.275,108.575 ; Q3.3@365.404,106.983 cw(c367.275,106.679) 367.275,108.575 ; Motor.2@381.75,121.3 378.8,121.3 377.15,119.65 377.15,115.95 375.475,114.275 369.075,114.275 367.725,112.925 367.725,109.025 367.275,108.575
  Bottom Layer w0.4: C22.2@342.721,110.851 cw(c342.061,110.191) 342.995,110.191 ; v2@342.783,108.942 ccw(c342.271,109.454) 342.995,109.454 ccw(c343.719,109.454) v2@343.207,108.942 ; v2(342.995,108.73) C22.2@342.995,111.27 ; 342.995,110.215 cw(c343.895,110.215) C22.2@343.259,110.851 ; C22.2@342.995,111.275 v2(352.35,111.275) ; C22.2@343.259,111.006 cw(c343.907,110.358) 343.907,111.275 cw(c343.907,112.192) C22.2@343.259,111.544 ; v2@352.138,111.063 ccw(c351.626,110.551) 351.626,111.275 ccw(c351.626,111.999) v2@352.138,111.487
  other v1: 354.85,107.375 355.937,107.375 357.025,107.375 367.7,109.25 367.7,110.475 367.65,111.775 354.925,113.025 355.875,113.025 356.825,113.025 377.125,116.15 377.125,117.425 377.125,118.8 378.95,120.875 380,120.875 378.925,121.8 379.95,121.8
VIN: Cin1.1 Cin2.1 Cin.2 Q1.2 Q3.2 Q5.2 R101.2 Rent.1 Ron.1 U15.4 U16.1 Vin_I.2 Vin_II.2 | length 173.6
  Top Layer w0.2: R101.2@329.2,176.02 329.27,176.02 330.4,177.15 330.4,180.425 333.525,183.55 347.875,183.55 348.675,182.75 350.85,182.75 351.525,183.425 363.975,183.425 367.4,180 Rent.1@367.4,165.515 ; R101.2@329.225,176.185 ccw(c329.225,176.692) R101.2@329.583,176.334 ; R101.2@329.225,176.385 ccw(c329.225,177.375) 329.925,176.675 ; R101.2@329.59,176.02 cw(c330.363,176.02) 329.816,176.566 ; Rent.1@367.142,165.773 ccw(c366.519,166.396) 367.4,166.396 ccw(c368.281,166.396) Rent.1@367.658,165.773
  Top Layer w0.5: Rent.1@367.4,165.515 369.375,165.515 Ron.1@369.4,165.54 369.745,165.885 U16.1@373.175,165.885 ; Rent.1@367.577,165.363 cw(c367.944,164.996) 367.944,165.515 cw(c367.944,166.034) Rent.1@367.577,165.667 ; 368.796,165.515 ccw(c368.796,166.119) Ron.1@369.223,165.692 ; Ron.1@369.577,165.388 cw(c370.777,164.188) v2@370.777,165.885 ; 370.292,165.755 cw(c370.542,164.822) v2@371.025,165.658 ; 370.522,165.885 cw(c370.522,165.247) v2@370.973,165.698 ; 370.571,165.885 ccw(c370.571,166.454) v2@370.973,166.052 ; v2@371.327,165.698 cw(c371.778,165.247) U16.1@371.778,165.885 ; v2@371.327,166.052 ccw(c371.729,166.454) U16.1@371.729,165.885 ; v2@371.358,166.014 ccw(c371.594,166.173) U16.1@371.668,165.898 ; U16.1@371.952,165.747 ccw(c371.619,165.414) 371.619,165.885 ccw(c371.619,166.356) U16.1@371.952,166.023
  Bottom Layer w0.5: v2(371.15,165.875) 375.185,165.875 ; v2@371.327,165.698 cw(c371.754,165.271) 371.754,165.875 cw(c371.754,166.479) v2@371.327,166.052 ; 374.385,165.875 cw(c374.385,164.21) Cin.2@375.562,165.387 ; Cin.2@375.47,165.599 ccw(c375.185,165.59) 375.185,165.875 ; Cin.2@375.586,165.854 cw(c375.397,166.087) 375.185,165.875 ; Cin.2@375.785,164.625 cw(c375.785,163.056) 376.895,164.165 ; 377.15,147.025 377.15,163.91 Cin.2@375.785,165.275 375.185,165.875
  Bottom Layer w1: v3@313.275,111.7 ccw(c314.361,111.7) 313.593,110.932 ; v3@313.281,111.733 ccw(c313.856,111.531) 313.425,111.1 ; v3(313.425,112.875) 313.425,111.1 ; v2(370.15,97) 352.1,97 349.3,94.2 330.25,94.2 327.075,97.375 323.475,97.375 319.225,101.625 319.225,105.3 313.425,111.1
  other v1: 383.15,133.675 379.1,133.85 372.313,134.025 373.45,134.025 374.588,134.025 383.15,134.708 379.1,134.808 372.338,135.25 373.475,135.25 374.613,135.25 383.15,135.742 379.1,135.767 372.363,136.625 373.5,136.625 374.638,136.625 379.1,136.725 383.15,136.775 371.563,143.1 372.7,143.1 373.838,143.1 371.587,144.325 372.725,144.325 373.863,144.325 382.95,145.45 378.95,145.475 371.613,145.7 372.75,145.7 373.888,145.7 382.95,146.225 378.95,146.317 382.95,147.1 378.95,147.158 382.975,147.925 378.95,148
  other v2: 373,97 370.15,99.25 373,99.25 370.15,101.475 373,101.475 370.175,107.175 373.025,107.175 370.175,109.425 373.025,109.425 370.175,111.65 373.025,111.65 370.225,117.2 373.075,117.2 370.225,119.45 373.075,119.45 370.225,121.675 373.075,121.675
  other v3: 313.375,111.7
VIN_G: D4.3 R26.1 R27.1 R28.1 Vin_I.1 Vin_II.1
  other v1: 383.15,139.075 379.025,139.125 383.15,140.05 379.05,140.083 383.15,141.025 379.075,141.042 383.15,141.975 379.075,142 384.4,151.21 380.275,151.26 384.4,152.185 380.3,152.218 384.4,153.16 380.325,153.177 384.4,154.11 380.325,154.135
  other v2: 358.775,90.625 361.875,90.625 361.875,91.925 358.775,91.975 358.775,93.225 361.875,93.225 358.775,102.775 361.875,102.775 361.875,104.075 358.775,104.125 358.775,105.375 361.875,105.375 358.775,114.8 361.875,114.8 361.875,116.1 358.775,116.15 358.775,117.4 361.875,117.4
W_COIL: C23.2 Motor.3 Q5.3 Q6.2 U5.18 | length 72.6
  Top Layer w0.4: U5.18@340.5,103.65 v2(342.975,103.65) ; v2@342.763,103.438 ccw(c342.251,102.926) 342.251,103.65 ccw(c342.251,104.374) v2@342.763,103.862 ; v2@353.143,98.58 ccw(c353.402,98.888) 353.506,98.499 ccw(c353.611,98.11) v2@353.232,98.248 ; v2@353.162,98.138 cw(c353.674,97.626) 353.674,98.35 cw(c353.674,99.074) v2@353.162,98.562 ; v2@353.178,98.155 cw(c353.522,97.86) Q6.2@353.639,98.298 ; v2@353.444,98.35 cw(c353.444,97.532) Q6.2@354.245,97.703 ; 353.546,98.35 ccw(c353.546,99.219) Q6.2@354.35,98.891 ; Q6.2@353.853,97.619 ccw(c352.95,97.426) v2(352.95,98.35) ; Q6.2@353.98,99.042 cw(c352.95,99.462) v2(352.95,98.35) ; Q6.2@356,98.35 v2(352.95,98.35)
  Top Layer w2: 365.225,96.075 365.725,96.575 367.175,96.575 367.675,97.075 ; Q5.3@365.608,96.574 ccw(c366.231,98.519) 367.675,97.075 ; Motor.3@381.75,116.22 381.75,109.8 376.225,104.275 369.1,104.275 367.675,102.85 367.675,97.075
  Bottom Layer w0.4: v2@342.975,103.35 cw(c342.975,102.324) 343.701,103.049 ; v2(342.975,103.65) C23.2@342.975,106.16 ; 342.975,105.066 cw(c343.944,105.066) 343.259,105.751 ccw(c343.907,105.103) 342.99,105.103 ccw(c342.073,105.103) 342.721,105.751 cw(c342.109,105.139) 342.975,105.139 ; 342.99,104.338 ccw(c343.663,104.338) 343.187,103.862 cw(c343.699,104.374) 342.975,104.374 cw(c342.251,104.374) 342.763,103.862 ccw(c342.215,104.41) 342.99,104.41 ; C23.2@342.99,106.175 342.99,103.76 348.4,98.35 v2(352.95,98.35) ; v2@343.275,103.65 ccw(c343.697,103.65) 343.399,103.351 ; v2@352.738,98.138 ccw(c352.226,97.626) 352.226,98.35 ccw(c352.226,99.074) v2@352.738,98.562
  other v1: 354.7,95.3 355.85,95.3 357,95.3 367.725,98.7 367.725,99.9 354.8,100.9 355.85,100.9 356.85,100.9 367.725,101.1 376.4,104.375 377.55,105.525 378.475,106.45 382.2,111.65 381.325,111.675 381.325,112.825 382.225,112.825 381.25,113.975 382.175,114
pads on no net: "Abs Encoder.2" "Abs Encoder.5" U1.8 U1.9 U1.10 U1.11 U1.33 U1.40 U1.50 U1.52 U1.53 U1.54 U3.5 U5.17 U5.21 U5.25 U14.7 U14.10 U15.5 U15.6 U17.2 U17.3 U17.5 U17.9 U23.5 U23.6 U23.7
copper on no net:
  other v4: 349.8,89.9 316.225,103.825 383.375,103.85 302.3,137.425 316.2,171 383.375,171.025 349.8,184.925

## Polygon pours and split planes (outlines as drawn)
3V3_D_GND on GND "3V3_D_GND" (solid, remove dead copper, pour order 4): 312.175,134.826 312.2,134.8 339.025,134.8 339.025,143.651 341.35,146.072 344.7,149.56 344.7,167.548 344.7,171.947 341.7,175.071 341.6,175.175 325.9,175.175 322.75,175.175 318.35,170.593 316.3,168.459 316.3,153.465 316.3,144.276 312.2,140.006
3V3_A_GND on GND "3V3_A_GND" (solid, remove dead copper, pour order 8): 362.225,180.025 362.225,169.65 363.725,168.15 364,167.875 376.775,167.875 377.625,167.875 379.5,169.75 379.825,170.075 379.825,173.45 379.825,173.65 373.45,180.025 373.2,180.275 366.65,180.275 362.475,180.275 362.35,180.15
A_GND on GND "A_GND" (solid, remove dead copper, pour order 12): 335.375,86.4 335.375,125.375 345.2,135.2 355.8,145.8 387.975,145.8 387.975,177.725 367.75,197.95 364.175,201.525 295.75,201.525 292.3,201.525 272.3,181.525 268.625,177.85 268.625,102.6 268.625,101.35 283.675,86.3
3V3_D on VDD "3V3_D" (solid, remove dead copper, pour order 10): 311.475,136.675 310.45,137.7 310.45,140.55 310.45,141.55 311.8,142.9 317.95,149.05 317.95,151.35 317.95,165.3 329.475,176.825 330.225,177.575 346.775,177.575 346.775,156.525 345.125,154.875 343.7,153.45 343.7,149.775 343.7,147.15 336.125,139.575 333.35,136.8 332.5,136.8

## Keep-outs
Keep-Out Layer:
  circle w0.254: c349.799,137.426 r10
  lines w0.254: 386.803,104.548 cw(c349.799,137.426) 386.804,170.303 386.804,104.548

## Other copper
Top Layer:
  rectangle net VIN: 312.6,111.125 314.05,113.3
  rectangle net VIN: 370.55,129.225 383.75,133.4
  rectangle net VIN: 379.125,131.775 383.75,137.45
  rectangle net VIN: 370.55,129.225 375.8,148.575
  rectangle net VIN: 370.55,144.55 383.325,148.575
  rectangle net VIN_G: 357.725,114.125 362.6,118
  rectangle net VIN_G: 357.75,102.075 362.625,105.975
  rectangle net VIN_G: 357.775,90 362.6,93.875
  rectangle net W_COIL: 357.3,94.725 366.4,97.575
  rectangle net V_COIL: 357.325,106.75 366.425,109.6
  rectangle net U_COIL: 356.875,118.75 366.375,120.4
  rectangle net U_COIL: 363.8,116.275 366.45,120.4
  rectangle net SEN_1_RAW: 348.475,114.4 351.4,120.55
  rectangle net SEN_1_RAW: 348.475,114.4 355.65,118.025
  rectangle net SEN_2_RAW: 348.45,102.375 351.5,108.575
  rectangle net SEN_2_RAW: 348.45,102.375 355.8,105.925
  rectangle net SEN_3_RAW: 348.475,91.975 351.4,96.5
  rectangle net SEN_3_RAW: 348.475,91.975 355.75,93.8
  rectangle net 5V: 356.975,151.25 358.975,153.8
  rectangle net 3V3_D: 348.25,175.675 349.75,178.275
  rectangle net A_GND: 363.4,141.65 369,153.85
  rectangle net A_GND: 361.775,131.475 363.775,143.9
  rectangle net A_GND: 381,155.5 386.3,168.55
  rectangle net A_GND: 320.375,104.975 322.7,108.2
GND:
  rectangle net VIN_G: 357.7,89.975 362.65,126.175
  rectangle net VIN_G: 368.375,138.525 386.225,142.525
  rectangle net VIN_G: 367.475,126.55 371.45,142.525
  rectangle net VIN_G: 357.7,124.55 371.45,128.55
  rectangle net VIN_G: 383.95,138.525 386.225,154.75
  rectangle net VIN_G: 379.85,150.6 386.225,154.75
VDD:
  rectangle net 3V3_D: 344.55,175.65 349.75,177.6
  rectangle net U_COIL: 353.55,118.75 359.125,125.6
  rectangle net U_COIL: 353.55,118.75 368.75,121.25
  rectangle net U_COIL: 366.5,118.75 368.75,127.3
  rectangle net U_COIL: 366.5,124.875 383.15,127.6
  rectangle net V_COIL: 376.125,119.725 383.175,122.45
  rectangle net V_COIL: 376.125,113.2 378.575,122.45
  rectangle net V_COIL: 366.575,113.2 378.575,115.475
  rectangle net V_COIL: 366.575,106.8 368.875,115.475
  rectangle net V_COIL: 353.525,106.8 368.875,110.025
  rectangle net V_COIL: 353.525,106.8 359.475,113.75
  rectangle net W_COIL: 380.25,109.075 383.425,117.6
  region net W_COIL: 377.628,103.272 383.44,109.085 381.425,111.1 375.612,105.287
  rectangle net W_COIL: 366.275,103.25 377.625,105.375
  rectangle net W_COIL: 366.275,94.625 368.7,105.375
  rectangle net W_COIL: 353.55,94.625 368.7,97.775
  rectangle net W_COIL: 353.55,94.625 359.3,101.55
Bottom Layer:
  rectangle net VIN: 312.6,111.15 314.05,113.3
  rectangle net VIN_G: 378.175,138.525 386.225,142.525
  rectangle net VIN_G: 383.95,138.525 386.225,153.125
  rectangle net VIN_G: 379.825,150.625 386.225,154.725
  rectangle net VIN: 372.9,144.875 383.4,148.575
  rectangle net VIN: 368.95,95.575 374.425,148.575
  rectangle net VIN: 368.975,133.125 383.7,137.425
  rectangle net A_GND: 378.2,160.45 383.1,165.225

## Silkscreen, mask and mechanical layers (free items; w line width, h text height)
Top Overlay:
  text "BLINK" at 342.25,183.45 h2
  text "3V3" at 353.225,183.175 h2
  text "5V" at 357.775,183.175 h2
  text "15V" at 361.2,183.175 h2
  text "A" at 351.125,167.85 h1.2
  text "I" at 356.65,167.825 h1.2
  text "5V" at 348.275,167.8 h1.2
  text "B" at 353.825,167.8 h1.2
  text "GND" at 358.075,167.8 h1.2
  text "sig1-" at 315.25,162.875 h2
  text "sig1+" at 314.075,160.75 h2
  text "GND" at 312.7,158.625 h2
  text "5V" at 348.15,157.3 h1.2
  text "A" at 350.925,157.3 h1.2
  text "B" at 353.675,157.275 h1.2
  text "C" at 356.2,157.275 h1.2
  text "GND" at 358.025,157.25 h1.2
  text "sig2-" at 311.25,156.525 h2
  text "sig2+" at 309.75,154.05 h2
  text "L" at 348.925,152.875 h1.2
  text "A" at 354.05,152.8 h1.2
  text "5V" at 308.325,151.5 h2
  text "-" at 375.293,151.025 h3
  text "B" at 354.075,150.425 h1.2
  text "H" at 348.825,150.375 h1.2
  text "+" at 375.025,146.1 h3
  text "-" at 375.293,139.55 h3
  text "+" at 375.025,134.475 h3
  text "U" at 374.4,125.325 h2
  text "V" at 374.425,120.175 h2
  text "W" at 374.175,115.2 h2
Mechanical 1:
  circle w0.254: c349.799,89.877 r1.5
  circle w0.254: c349.799,184.926 r1.5
  circle w0.254: c316.211,171.014 r1.5
  circle w0.254: c302.299,137.426 r1.5
  circle w0.254: c316.211,103.838 r1.5
  circle w0.254: c383.387,103.838 r1.452
  circle w0.254: c383.387,171.014 r1.5